# KiCad board nkc70_22.kicad_pcb
title: NKC70 RP2040 Revision2.2; note: USBコネクタは TYPEC-304J-BCP16 (Xunpu)を使う; note: hotswap socket (CPG135001S30) を使う。
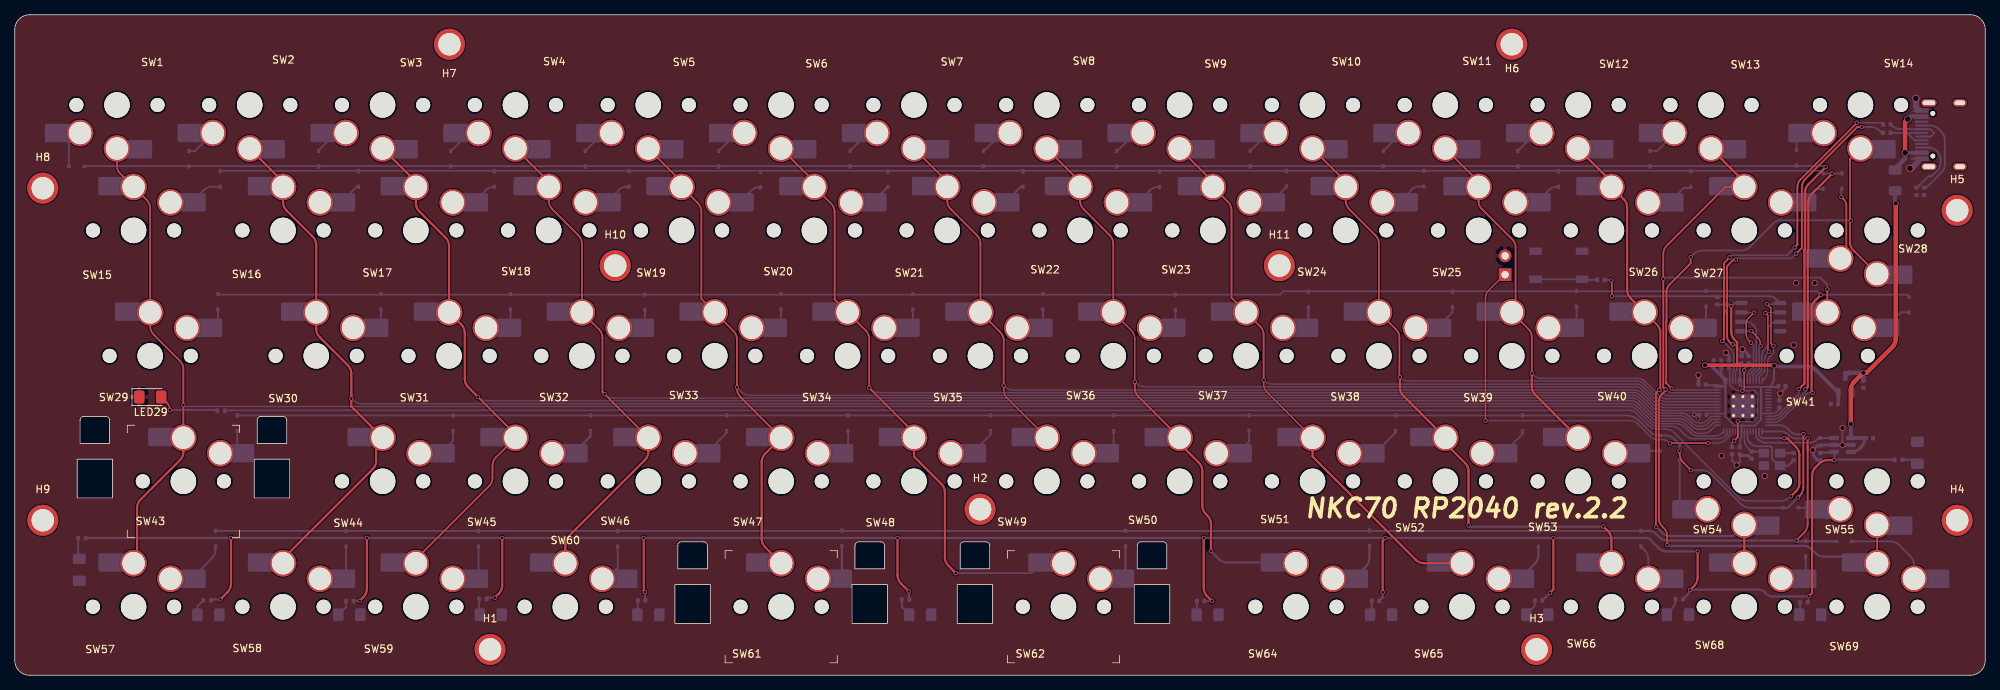
[diagram p0: board, top side]
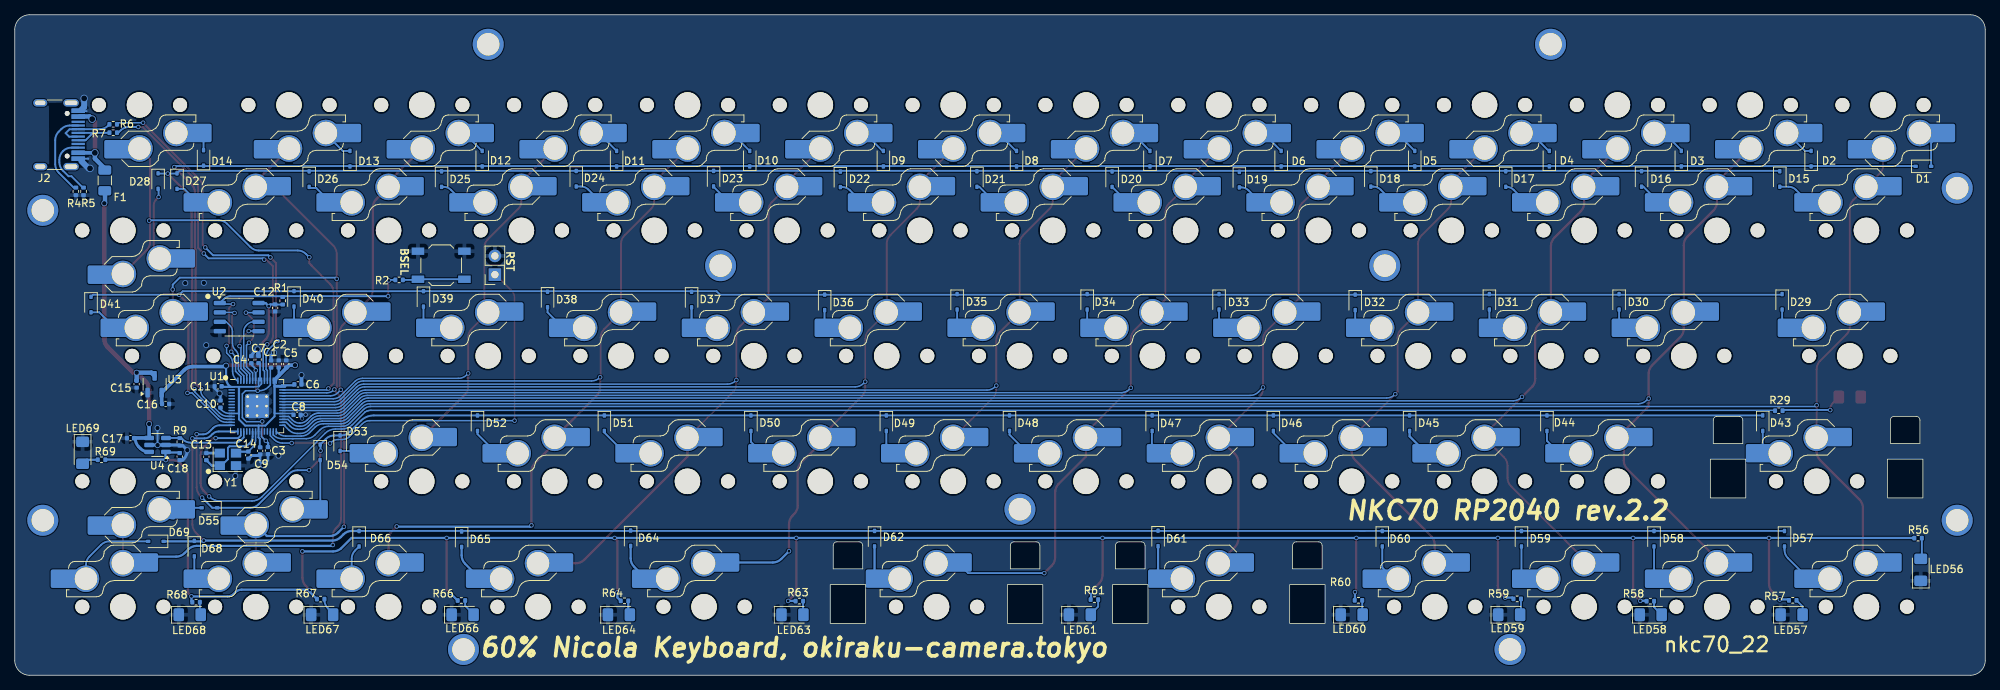
[diagram p1: board, bottom side, seen from below]

Outline 267 x 89.5 mm; copper layers: Top, Bottom. Coordinates in mm from the lower left corner of the outline.
Outline path: 0,87.5 arc(0.58,88.92) 2,89.5 265,89.5 arc(266.41,88.91) 267,87.5 267,2 arc(266.41,0.59) 265,0 2,0 arc(0.59,0.59) 0,2 0,87.5
Stack: Top 0.035mm / dielectric 1.51mm FR4 er 4.5 / Bottom 0.035mm

## Placement (name value [footprint] x y rotation side)
C1  1u  [C_0402_1005Metric]  232.27 42.17 90 bottom
C2  1u  [C_0402_1005Metric]  231.23 42.18 90 bottom
C3  100n  [C_0402_1005Metric]  232.69 30.44 270 bottom
C4  100n  [C_0402_1005Metric]  234.95 42.76 90 bottom
C5  100n  [C_0402_1005Metric]  230.21 42.18 90 bottom
C6  100n  [C_0402_1005Metric]  228.63 39.41 180 bottom
C7  100n  [C_0402_1005Metric]  233.96 42.77 90 bottom
C8  100n  [C_0402_1005Metric]  228.75 35.29 180 bottom
C9  100n  [C_0402_1005Metric]  233.75 30.41 270 bottom
C10  100n  [C_0402_1005Metric]  239.13 36.75 90 bottom
C11  100n  [C_0402_1005Metric]  239.45 39.15 0 bottom
C12  100n  [C_0402_1005Metric]  231.72 49.77 270 bottom
C13  20p  [C_0402_1005Metric]  241.04 29.62 90 bottom
C14  20p  [C_0402_1005Metric]  235.35 29.83 270 bottom
C15  1u  [C_0402_1005Metric]  250.49 39.45 270 bottom
C16  1u  [C_0402_1005Metric]  246.56 36.76 180 bottom
C17  1u  [C_0402_1005Metric]  251.32 32.12 0 bottom
C18  100n  [C_0402_1005Metric]  244.65 29.63 270 bottom
D1  1N4148WS  [D_SOD-323]  8.38 68.96 180 bottom
D2  1N4148WS  [D_SOD-323]  23.59 70 90 bottom
D3  1N4148WS  [D_SOD-323]  41.18 70 90 bottom
D4  1N4148WS  [D_SOD-323]  59.06 70 90 bottom
D5  1N4148WS  [D_SOD-323]  77.3 70 90 bottom
D6  1N4148WS  [D_SOD-323]  95.4 70 90 bottom
D7  1N4148WS  [D_SOD-323]  113.18 70 90 bottom
D8  1N4148WS  [D_SOD-323]  131.26 70 90 bottom
D9  1N4148WS  [D_SOD-323]  149.3 70 90 bottom
D10  1N4148WS  [D_SOD-323]  167.41 70 90 bottom
D11  1N4148WS  [D_SOD-323]  185.45 70 90 bottom
D12  1N4148WS  [D_SOD-323]  203.66 70 90 bottom
D13  1N4148WS  [D_SOD-323]  221.58 70 90 bottom
D14  1N4148WS  [D_SOD-323]  241.42 70.1 90 bottom
D15  1N4148WS  [D_SOD-323]  27.84 67.25 270 bottom
D16  1N4148WS  [D_SOD-323]  46.57 67.25 270 bottom
D17  1N4148WS  [D_SOD-323]  64.97 67.24 270 bottom
D18  1N4148WS  [D_SOD-323]  83.25 67.26 270 bottom
D19  1N4148WS  [D_SOD-323]  101.07 67.16 270 bottom
D20  1N4148WS  [D_SOD-323]  118.31 67.22 270 bottom
D21  1N4148WS  [D_SOD-323]  136.63 67.24 270 bottom
D22  1N4148WS  [D_SOD-323]  155.13 67.2 270 bottom
D23  1N4148WS  [D_SOD-323]  172.31 67.29 270 bottom
D24  1N4148WS  [D_SOD-323]  190.92 67.28 270 bottom
D25  1N4148WS  [D_SOD-323]  209.17 67.23 270 bottom
D26  1N4148WS  [D_SOD-323]  227.11 67.23 270 bottom
D27  1N4148WS  [D_SOD-323]  245.02 66.96 270 bottom
D28  1N4148WS  [D_SOD-323]  247.58 66.96 270 bottom
D29  1N4148WS  [D_SOD-323]  27.52 50.6 270 bottom
D30  1N4148WS  [D_SOD-323]  49.61 50.6 270 bottom
D31  1N4148WS  [D_SOD-323]  67.19 50.6 270 bottom
D32  1N4148WS  [D_SOD-323]  85.37 50.53 270 bottom
D33  1N4148WS  [D_SOD-323]  103.82 50.6 270 bottom
D34  1N4148WS  [D_SOD-323]  121.69 50.6 270 bottom
D35  1N4148WS  [D_SOD-323]  139.31 50.6 270 bottom
D36  1N4148WS  [D_SOD-323]  157.26 50.53 270 bottom
D37  1N4148WS  [D_SOD-323]  175.29 50.91 270 bottom
D38  1N4148WS  [D_SOD-323]  194.81 50.92 270 bottom
D39  1N4148WS  [D_SOD-323]  211.62 51 270 bottom
D40  1N4148WS  [D_SOD-323]  229.16 51.01 270 bottom
D41  1N4148WS  [D_SOD-323]  256.67 50.23 270 bottom
D43  1N4148WS  [D_SOD-323]  30.15 34.16 270 bottom
D44  1N4148WS  [D_SOD-323]  59.39 34.15 270 bottom
D45  1N4148WS  [D_SOD-323]  78 34.15 270 bottom
D46  1N4148WS  [D_SOD-323]  96.46 34.15 270 bottom
D47  1N4148WS  [D_SOD-323]  112.88 34.15 270 bottom
D48  1N4148WS  [D_SOD-323]  132.21 34.15 270 bottom
D49  1N4148WS  [D_SOD-323]  148.9 34.15 270 bottom
D50  1N4148WS  [D_SOD-323]  167.25 34.15 270 bottom
D51  1N4148WS  [D_SOD-323]  187.11 34.15 270 bottom
D52  1N4148WS  [D_SOD-323]  204.3 34.15 270 bottom
D53  1N4148WS  [D_SOD-323]  222.92 31.44 270 bottom
D54  1N4148WS  [D_SOD-323]  225.62 30.21 270 bottom
D55  1N4148WS  [D_SOD-323]  240.63 22.69 0 bottom
D57  1N4148WS  [D_SOD-323]  27.2 18.5 270 bottom
D58  1N4148WS  [D_SOD-323]  44.88 18.5 270 bottom
D59  1N4148WS  [D_SOD-323]  62.84 18.5 270 bottom
D60  1N4148WS  [D_SOD-323]  81.7 18.5 270 bottom
D61  1N4148WS  [D_SOD-323]  112.08 18.54 270 bottom
D62  1N4148WS  [D_SOD-323]  150.5 18.51 270 bottom
D64  1N4148WS  [D_SOD-323]  183.55 18.57 270 bottom
D65  1N4148WS  [D_SOD-323]  206.45 18.44 270 bottom
D66  1N4148WS  [D_SOD-323]  220.34 18.5 270 bottom
D68  1N4148WS  [D_SOD-323]  242.67 17.16 270 bottom
D69  1N4148WS  [D_SOD-323]  247.87 18.14 0 bottom
F1  Polyfuse_Small  [Fuse_1206_3216Metric]  254.8 67.05 90 bottom
H1  -  [MountingHole_3mm_Pad]  64.4 3.5 0 top
H2  -  [MountingHole_3mm_Pad]  130.8 22.5 0 top
H3  -  [MountingHole_3mm_Pad]  206.2 3.5 0 top
H4  -  [MountingHole_3mm_Pad]  263.2 21 0 top
H5  -  [MountingHole_3mm_Pad]  263.2 63 0 top
H6  -  [MountingHole_3mm_Pad]  202.85 85.5 0 top
H7  -  [MountingHole_3mm_Pad]  58.9 85.5 0 top
H8  -  [MountingHole_3mm_Pad]  3.8 66 0 top
H9  -  [MountingHole_3mm_Pad]  3.8 21 0 top
H10  -  [MountingHole_3mm_Pad]  81.36 55.5 0 top
H11  -  [MountingHole_3mm_Pad]  171.36 55.5 0 top
J1  Conn_01x02_Pin  [PinHeader_2x01_P2.54mm_Vertical]  201.94 54.29 90 bottom
J2  USB_C_Receptacle_USB2.0  [USB_C_Receptacle_304J-BCP16]  262.5 73.24 270 bottom
LED29  LED  [LED_1206_3216Metric_Pad1.42x1.75mm_HandSolder]  18.35 37.7 0 top
LED56  LED  [LED_1206_3216Metric_Pad1.42x1.75mm_HandSolder]  8.74 14.28 90 bottom
LED57  LED  [LED_1206_3216Metric_Pad1.42x1.75mm_HandSolder]  26.24 8.2 180 bottom
LED58  LED  [LED_1206_3216Metric_Pad1.42x1.75mm_HandSolder]  45.33 8.2 180 bottom
LED59  LED  [LED_1206_3216Metric_Pad1.42x1.75mm_HandSolder]  64.51 8.2 180 bottom
LED60  LED  [LED_1206_3216Metric_Pad1.42x1.75mm_HandSolder]  85.85 8.2 180 bottom
LED61  LED  [LED_1206_3216Metric_Pad1.42x1.75mm_HandSolder]  122.68 8.2 180 bottom
LED63  LED  [LED_1206_3216Metric_Pad1.42x1.75mm_HandSolder]  161.62 8.2 180 bottom
LED64  LED  [LED_1206_3216Metric_Pad1.42x1.75mm_HandSolder]  185.14 8.2 180 bottom
LED66  LED  [LED_1206_3216Metric_Pad1.42x1.75mm_HandSolder]  206.31 8.2 180 bottom
LED67  LED  [LED_1206_3216Metric_Pad1.42x1.75mm_HandSolder]  225.35 8.2 180 bottom
LED68  LED  [LED_1206_3216Metric_Pad1.42x1.75mm_HandSolder]  243.29 8.2 180 bottom
LED69  LED  [LED_1206_3216Metric_Pad1.42x1.75mm_HandSolder]  257.81 30.15 270 bottom
R1  10k  [R_0402_1005Metric]  230.69 50.74 90 bottom
R2  1k  [R_0402_1005Metric]  214.92 53.57 180 bottom
R4  5.1k  [R_0402_1005Metric]  258.72 65.57 90 bottom
R5  5.1k  [R_0402_1005Metric]  257.68 65.57 90 bottom
R6  22  [R_0402_1005Metric]  253.66 74.66 0 bottom
R7  22  [R_0402_1005Metric]  253.66 73.52 0 bottom
R9  10k  [R_0402_1005Metric]  244.63 31.62 90 bottom
R29  220  [R_0402_1005Metric]  27.97 35.84 0 bottom
R56  330  [R_0402_1005Metric]  9.1 18.58 0 bottom
R57  330  [R_0402_1005Metric]  26.08 10.15 0 bottom
R58  330  [R_0402_1005Metric]  45.38 10.04 0 bottom
R59  330  [R_0402_1005Metric]  63.42 10.35 0 bottom
R60  330  [R_0402_1005Metric]  84.93 10.15 0 bottom
R61  330  [R_0402_1005Metric]  120.71 10.25 0 bottom
R63  330  [R_0402_1005Metric]  160.69 10.05 180 bottom
R64  330  [R_0402_1005Metric]  184.38 10.08 180 bottom
R66  330  [R_0402_1005Metric]  206.48 10.13 180 bottom
R67  330  [R_0402_1005Metric]  225.55 10.32 180 bottom
R68  330  [R_0402_1005Metric]  242.43 9.9 180 bottom
R69  330  [R_0402_1005Metric]  255.24 29.2 0 bottom
SW1  SW_Push  [SW_Hotswap_Kailh_Choc_V1_Plated_1.00u]  13.85 77.28 180 top
SW2  SW_Push  [SW_Hotswap_Kailh_Choc_V1_Plated_1.00u]  31.84 77.28 180 top
SW3  SW_Push  [SW_Hotswap_Kailh_Choc_V1_Plated_1.00u]  49.84 77.28 180 top
SW4  SW_Push  [SW_Hotswap_Kailh_Choc_V1_Plated_1.00u]  67.84 77.28 180 top
SW5  SW_Push  [SW_Hotswap_Kailh_Choc_V1_Plated_1.00u]  85.84 77.28 180 top
SW6  SW_Push  [SW_Hotswap_Kailh_Choc_V1_Plated_1.00u]  103.84 77.28 180 top
SW7  SW_Push  [SW_Hotswap_Kailh_Choc_V1_Plated_1.00u]  121.84 77.28 180 top
SW8  SW_Push  [SW_Hotswap_Kailh_Choc_V1_Plated_1.00u]  139.84 77.28 180 top
SW9  SW_Push  [SW_Hotswap_Kailh_Choc_V1_Plated_1.00u]  157.84 77.28 180 top
SW10  SW_Push  [SW_Hotswap_Kailh_Choc_V1_Plated_1.00u]  175.84 77.28 180 top
SW11  SW_Push  [SW_Hotswap_Kailh_Choc_V1_Plated_1.00u]  193.84 77.28 180 top
SW12  SW_Push  [SW_Hotswap_Kailh_Choc_V1_Plated_1.00u]  211.84 77.28 180 top
SW13  SW_Push  [SW_Hotswap_Kailh_Choc_V1_Plated_1.00u]  229.84 77.28 180 top
SW14  SW_Push  [SW_Hotswap_Kailh_Choc_V1_Plated_1.25u]  250.1 77.28 180 top
SW15  SW_Push  [SW_Hotswap_Kailh_Choc_V1_Plated_1.25u]  16.1 60.28 0 top
SW16  SW_Push  [SW_Hotswap_Kailh_Choc_V1_Plated_1.00u]  36.35 60.28 0 top
SW17  SW_Push  [SW_Hotswap_Kailh_Choc_V1_Plated_1.00u]  54.35 60.28 0 top
SW18  SW_Push  [SW_Hotswap_Kailh_Choc_V1_Plated_1.00u]  72.35 60.28 0 top
SW19  SW_Push  [SW_Hotswap_Kailh_Choc_V1_Plated_1.00u]  90.35 60.28 0 top
SW20  SW_Push  [SW_Hotswap_Kailh_Choc_V1_Plated_1.00u]  108.35 60.28 0 top
SW21  SW_Push  [SW_Hotswap_Kailh_Choc_V1_Plated_1.00u]  126.35 60.28 0 top
SW22  SW_Push  [SW_Hotswap_Kailh_Choc_V1_Plated_1.00u]  144.35 60.28 0 top
SW23  SW_Push  [SW_Hotswap_Kailh_Choc_V1_Plated_1.00u]  162.35 60.28 0 top
SW24  SW_Push  [SW_Hotswap_Kailh_Choc_V1_Plated_1.00u]  180.35 60.28 0 top
SW25  SW_Push  [SW_Hotswap_Kailh_Choc_V1_Plated_1.00u]  198.35 60.28 0 top
SW26  SW_Push  [SW_Hotswap_Kailh_Choc_V1_Plated_1.00u]  216.35 60.28 0 top
SW27  SW_Push  [SW_Hotswap_Kailh_Choc_V1_Plated_1.00u]  234.35 60.28 0 top
SW28  SW_Push  [SW_Hotswap_Kailh_Choc_V1_Plated_1.00u]  252.35 60.28 180 top
SW29  SW_Push  [SW_Hotswap_Kailh_Choc_V1_Plated_1.50u]  18.35 43.28 0 top
SW30  SW_Push  [SW_Hotswap_Kailh_Choc_V1_Plated_1.00u]  40.85 43.28 0 top
SW31  SW_Push  [SW_Hotswap_Kailh_Choc_V1_Plated_1.00u]  58.85 43.28 0 top
SW32  SW_Push  [SW_Hotswap_Kailh_Choc_V1_Plated_1.00u]  76.85 43.28 0 top
SW33  SW_Push  [SW_Hotswap_Kailh_Choc_V1_Plated_1.00u]  94.85 43.28 0 top
SW34  SW_Push  [SW_Hotswap_Kailh_Choc_V1_Plated_1.00u]  112.85 43.28 0 top
SW35  SW_Push  [SW_Hotswap_Kailh_Choc_V1_Plated_1.00u]  130.85 43.28 0 top
SW36  SW_Push  [SW_Hotswap_Kailh_Choc_V1_Plated_1.00u]  148.85 43.28 0 top
SW37  SW_Push  [SW_Hotswap_Kailh_Choc_V1_Plated_1.00u]  166.85 43.28 0 top
SW38  SW_Push  [SW_Hotswap_Kailh_Choc_V1_Plated_1.00u]  184.85 43.28 0 top
SW39  SW_Push  [SW_Hotswap_Kailh_Choc_V1_Plated_1.00u]  202.85 43.28 0 top
SW40  SW_Push  [SW_Hotswap_Kailh_Choc_V1_Plated_1.00u]  220.85 43.28 0 top
SW41  SW_Push  [SW_Hotswap_Kailh_Choc_V1_Plated_1.75u]  245.6 43.28 0 top
SW43  SW_Push  [ChocV1_2.00u_stabilizer_PCB_hs]  22.85 26.28 0 top
SW44  SW_Push  [SW_Hotswap_Kailh_Choc_V1_Plated_1.00u]  49.85 26.28 0 top
SW45  SW_Push  [SW_Hotswap_Kailh_Choc_V1_Plated_1.00u]  67.85 26.28 0 top
SW46  SW_Push  [SW_Hotswap_Kailh_Choc_V1_Plated_1.00u]  85.85 26.28 0 top
SW47  SW_Push  [SW_Hotswap_Kailh_Choc_V1_Plated_1.00u]  103.85 26.28 0 top
SW48  SW_Push  [SW_Hotswap_Kailh_Choc_V1_Plated_1.00u]  121.85 26.28 0 top
SW49  SW_Push  [SW_Hotswap_Kailh_Choc_V1_Plated_1.00u]  139.85 26.28 0 top
SW50  SW_Push  [SW_Hotswap_Kailh_Choc_V1_Plated_1.00u]  157.85 26.28 0 top
SW51  SW_Push  [SW_Hotswap_Kailh_Choc_V1_Plated_1.00u]  175.85 26.28 0 top
SW52  SW_Push  [SW_Hotswap_Kailh_Choc_V1_Plated_1.00u]  193.85 26.28 0 top
SW53  SW_Push  [SW_Hotswap_Kailh_Choc_V1_Plated_1.00u]  211.85 26.28 0 top
SW54  SW_Push  [SW_Hotswap_Kailh_Choc_V1_Plated_1.00u]  234.35 26.28 180 top
SW55  SW_Push  [SW_Hotswap_Kailh_Choc_V1_Plated_1.00u]  252.35 26.28 180 top
SW57  SW_Push  [SW_Hotswap_Kailh_Choc_V1_Plated_1.25u]  16.1 9.28 0 top
SW58  SW_Push  [SW_Hotswap_Kailh_Choc_V1_Plated_1.00u]  36.35 9.28 0 top
SW59  SW_Push  [SW_Hotswap_Kailh_Choc_V1_Plated_1.00u]  54.35 9.28 0 top
SW60  SW_Push  [SW_Hotswap_Kailh_Choc_V1_Plated_1.25u]  74.6 9.28 0 top
SW61  SW_Push  [ChocV1_2.00u_stabilizer_PCB_hs]  103.85 9.28 0 top
SW62  SW_Push  [ChocV1_2.25u_stabilizer_PCB]  142.1 9.28 0 top
SW64  SW_Push  [SW_Hotswap_Kailh_Choc_V1_Plated_1.25u]  173.6 9.28 0 top
SW65  SW_Push  [SW_Hotswap_Kailh_Choc_V1_Plated_1.25u]  196.1 9.28 0 top
SW66  SW_Push  [SW_Hotswap_Kailh_Choc_V1_Plated_1.00u]  216.35 9.28 0 top
SW68  SW_Push  [SW_Hotswap_Kailh_Choc_V1_Plated_1.00u]  234.35 9.28 0 top
SW69  SW_Push  [SW_Hotswap_Kailh_Choc_V1_Plated_1.00u]  252.35 9.28 0 top
SW200  BSEL  [SW_SPST_TL3342]  209.22 55.56 180 bottom
U1  RP2040  [RP2040-QFN-56]  234.17 36.47 180 bottom
U2  W25Q16JVSN  [SOP-8_3.9x4.9mm_P1.27mm]  236.59 48.53 180 bottom
U3  XC6206P332MR  [SOT-23-3]  248.05 39.43 90 bottom
U4  AP2281  [SOT-23-6]  247.65 31.2 0 bottom
Y1  12MHz  [Crystal_SMD_3225-4Pin_3.2x2.5mm]  238.12 29.26 180 bottom

## Library data of the parts
C1-C18 = -: ki_fp_filters: C_*
D1-D41 D43-D55 D57-D62 D64-D66 D68 D69 = -: Datasheet: https://www.vishay.com/docs/85751/1n4148ws.pdf; Description: 75V 0.15A Fast switching Diode, SOD-323; Sim.Device: D; Sim.Pins: 1=K 2=A; ki_fp_filters: D*SOD?323*
F1 = -: Description: Resettable fuse, polymeric positive temperature coefficient, small symbol; ki_fp_filters: *polyfuse* *PTC*
J1 = -: Description: Generic connector, single row, 01x02, script generated; ki_fp_filters: Connector*:*_1x??_*
J2 = -: Datasheet: https://www.usb.org/sites/default/files/documents/usb_type-c.zip; Description: USB 2.0-only 14P Type-C Receptacle connector; ki_fp_filters: USB*C*Receptacle*
LED29 LED56-LED61 LED63 LED64 LED66-LED69 = -: ki_fp_filters: LED* LED_SMD:* LED_THT:*
R1 R2 R4-R7 R9 R29 R56-R61 R63 R64 R66-R69 = -: ki_fp_filters: R_*
U2 = -: Datasheet: https://www.winbond.com/resource-files/w25q128jv_dtr%20revc%2003272018%20plus.pdf; Description: 128Mb Serial Flash Memory, Standard/Dual/Quad SPI, SOIC-8; ki_fp_filters: SOIC*5.23x5.23mm*P1.27mm*
U3 = -: Datasheet: https://www.torexsemi.com/file/xc6206/XC6206.pdf; Description: Positive 60-250mA Low Dropout Regulator, Fixed Output, SOT-23; ki_fp_filters: SOT?23?3*
U4 = -: Datasheet: https://www.diodes.com/assets/Datasheets/AP2281.pdf
Y1 = -: ki_fp_filters: Crystal*

## Footprints (pads in the part's own frame, mm; a bottom-side part is the same pattern mirrored in y, then rotated)
C_0402_1005Metric
  rrect 0.56x0.62 smd: 1(-0.48,0) 2(0.48,0)
ChocV1_2.00u_stabilizer_PCB_hs
  round 1.9 hole 1.9 unplated: (-5.5,0) (5.5,0)
  rrect 2.55x2.5 smd: (-3.5,6)
  round 3.45 hole 3.45 unplated: (0,0)
  rrect 2.315x2.46 smd: (8.383,3.82)
  rrect 3.85x2.5 smd far side: 1(-2.85,6)
  round 3.6 hole 3.05: 1(0,5.9) 2(5,3.8)
  rrect 3.665x2.48 smd far side: 2(7.758,3.81)
ChocV1_2.25u_stabilizer_PCB
  round 1.9 hole 1.9 unplated: (-5.5,0) (5.5,0)
  rrect 2.55x2.5 smd: (-3.5,6)
  round 3.45 hole 3.45 unplated: (0,0)
  rrect 2.315x2.46 smd: (8.383,3.82)
  rrect 3.85x2.5 smd far side: 1(-2.85,6)
  round 3.6 hole 3.05: 1(0,5.9) 2(5,3.8)
  rrect 3.665x2.48 smd far side: 2(7.758,3.81)
Crystal_SMD_3225-4Pin_3.2x2.5mm
  rect 1.4x1.2 smd: 1(-1.1,-0.85) 2(1.1,-0.85) 3(1.1,0.85) 4(-1.1,0.85)
D_SOD-323
  rrect 0.6x0.45 smd: 1(-1.05,0) 2(1.05,0)
Fuse_1206_3216Metric
  rrect 1.25x1.75 smd: 1(-1.4,0) 2(1.4,0)
LED_1206_3216Metric_Pad1.42x1.75mm_HandSolder
  rrect 1.425x1.75 smd: 1(-1.488,0) 2(1.488,0)
MountingHole_3mm_Pad
  round 4.2 hole 3.05: 1(0,0)
PinHeader_2x01_P2.54mm_Vertical
  rect 1.7x1.7 hole 1: 1(0,0)
  oval 1.7x1.7 hole 1: 2(2.54,0)
R_0402_1005Metric
  rrect 0.54x0.64 smd: 1(-0.51,0) 2(0.51,0)
RP2040-QFN-56
  rrect 1.084x1.084 smd: (-0.637,-0.637) (-0.637,0.637) (0.637,-0.637) (0.637,0.637)
  rrect 0.875x0.2 smd: 1(-3.438,2.6) 2(-3.438,2.2) 3(-3.438,1.8) 4(-3.438,1.4) 5(-3.438,1) 6(-3.438,0.6) 7(-3.438,0.2) 8(-3.438,-0.2) 9(-3.438,-0.6) 10(-3.438,-1) 11(-3.438,-1.4) 12(-3.438,-1.8) 13(-3.438,-2.2) 14(-3.438,-2.6) 29(3.438,-2.6) 30(3.438,-2.2) 31(3.438,-1.8) 32(3.438,-1.4) 33(3.438,-1) 34(3.438,-0.6) 35(3.438,-0.2) 36(3.438,0.2) 37(3.438,0.6) 38(3.438,1) 39(3.438,1.4) 40(3.438,1.8) 41(3.438,2.2) 42(3.438,2.6)
  rrect 0.2x0.875 smd: 15(-2.6,-3.438) 16(-2.2,-3.438) 17(-1.8,-3.438) 18(-1.4,-3.438) 19(-1,-3.438) 20(-0.6,-3.438) 21(-0.2,-3.438) 22(0.2,-3.438) 23(0.6,-3.438) 24(1,-3.438) 25(1.4,-3.438) 26(1.8,-3.438) 27(2.2,-3.438) 28(2.6,-3.438) 43(2.6,3.438) 44(2.2,3.438) 45(1.8,3.438) 46(1.4,3.438) 47(1,3.438) 48(0.6,3.438) 49(0.2,3.438) 50(-0.2,3.438) 51(-0.6,3.438) 52(-1,3.438) 53(-1.4,3.438) 54(-1.8,3.438) 55(-2.2,3.438) 56(-2.6,3.438)
  round 0.6 hole 0.35: 57(-1.275,-1.275) 57(-1.275,0) 57(-1.275,1.275) 57(0,-1.275) 57(0,0) 57(0,1.275) 57(1.275,-1.275) 57(1.275,0) 57(1.275,1.275)
  rrect 3.2x3.2 smd: 57(0,0)
SOP-8_3.9x4.9mm_P1.27mm
  rrect 1.65x0.6 smd: 1(-2.625,1.905) 2(-2.625,0.635) 3(-2.625,-0.635) 4(-2.625,-1.905) 5(2.625,-1.905) 6(2.625,-0.635) 7(2.625,0.635) 8(2.625,1.905)
SOT-23-3
  rrect 1.325x0.6 smd: 1(-1.137,0.95) 2(-1.137,-0.95) 3(1.137,0)
SOT-23-6
  rrect 1.325x0.6 smd: 1(-1.137,0.95) 2(-1.137,0) 3(-1.137,-0.95) 4(1.137,-0.95) 5(1.137,0) 6(1.137,0.95)
SW_Hotswap_Kailh_Choc_V1_Plated_1.00u
  round 1.9 hole 1.9 unplated: (-5.5,0) (5.5,0)
  rrect 2.55x2.5 smd: (-3.5,6) (8.5,3.8)
  round 3.45 hole 3.45 unplated: (0,0)
  rrect 3.85x2.5 smd far side: 1(-2.85,6) 2(7.85,3.8)
  round 3.6 hole 3.05: 1(0,5.9) 2(5,3.8)
SW_Hotswap_Kailh_Choc_V1_Plated_1.25u
  round 1.9 hole 1.9 unplated: (-5.5,0) (5.5,0)
  rrect 2.55x2.5 smd: (-3.5,6) (8.5,3.8)
  round 3.45 hole 3.45 unplated: (0,0)
  rrect 3.85x2.5 smd far side: 1(-2.85,6) 2(7.85,3.8)
  round 3.6 hole 3.05: 1(0,5.9) 2(5,3.8)
SW_Hotswap_Kailh_Choc_V1_Plated_1.50u
  round 1.9 hole 1.9 unplated: (-5.5,0) (5.5,0)
  rrect 2.55x2.5 smd: (-3.5,6) (8.5,3.8)
  round 3.45 hole 3.45 unplated: (0,0)
  rrect 3.85x2.5 smd far side: 1(-2.85,6) 2(7.85,3.8)
  round 3.6 hole 3.05: 1(0,5.9) 2(5,3.8)
SW_Hotswap_Kailh_Choc_V1_Plated_1.75u
  round 1.9 hole 1.9 unplated: (-5.5,0) (5.5,0)
  rrect 2.55x2.5 smd: (-3.5,6) (8.5,3.8)
  round 3.45 hole 3.45 unplated: (0,0)
  rrect 3.85x2.5 smd far side: 1(-2.85,6) 2(7.85,3.8)
  round 3.6 hole 3.05: 1(0,5.9) 2(5,3.8)
SW_SPST_TL3342
  rect 1.7x1 smd: 1(-3.15,1.9) 1(3.15,1.9) 2(-3.15,-1.9) 2(3.15,-1.9)
USB_C_Receptacle_304J-BCP16
  round 0.65 hole 0.65 unplated: (-2.89,2.6) (2.89,2.6)
  rect 0.6x1.8 smd: A1(-3.25,4.1) A4(-2.45,4.1) A9(2.45,4.1) A12(3.25,4.1) B1(3.25,4.1) B4(2.45,4.1) B9(-2.45,4.1) B12(-3.25,4.1)
  rect 0.3x1.8 smd: A5(-1.25,4.1) A6(-0.25,4.1) A7(0.25,4.1) A8(1.25,4.1) B5(1.75,4.1) B6(0.75,4.1) B7(-0.75,4.1) B8(-1.75,4.1)
  oval 1x1.9 hole 0.6x1.4: S1(-4.32,-1.05) S1(4.32,-1.05)
  oval 1x2.1 hole 0.6x1.7: S1(-4.32,3.13) S1(4.32,3.13)

## Nets
+1V1: C1.1 C3.1 C4.1 U1.23 U1.45 U1.50
+3V3: C2.1 C5.1 C6.1 C7.1 C8.1 C9.1 C10.1 C11.1 C12.1 C16.1 R1.1 U1.1 U1.10 U1.22 U1.33 U1.42 U1.43 U1.44 U1.48 U1.49 U2.8 U3.2
/+5V: C15.1 C17.1 F1.1 U3.3 U4.4 U4.6
/VBUS: F1.2 J2.A4 J2.A9 J2.B4 J2.B9
GND: C1.2 C2.2 C3.2 C4.2 C5.2 C6.2 C7.2 C8.2 C9.2 C10.2 C11.2 C12.2 C13.2 C14.2 C15.2 C16.2 C17.2 C18.2 J1.2 J2.A1 J2.A12 J2.B1 J2.B12 LED29.1 LED56.1 LED57.1 LED58.1 LED59.1 LED60.1 LED61.1 LED63.1 LED64.1 LED66.1 LED67.1 LED68.1 LED69.1 R4.1 R5.1 R9.1 SW200.1 U1.57 U2.4 U3.1 U4.2 U4.5 Y1.2 Y1.4
/BG_LED2: U1.18
/BGLED: C18.1 R56.2 R57.2 R58.2 R59.2 R60.2 R61.2 R63.1 R64.1 R66.1 R67.1 R68.1 R69.1 U4.1
/BGLED_C: R9.2 U1.17 U4.3
/BSEL: R2.2 SW200.2
/C01: SW1.1 SW15.1 SW29.1 SW43.1 SW57.1 U1.27
/C02: SW2.1 SW16.1 SW30.1 SW44.1 SW58.1 U1.28
/C03: SW3.1 SW17.1 SW31.1 SW45.1 SW59.1 U1.29
/C04: SW4.1 SW18.1 SW32.1 SW46.1 SW60.1 U1.30
/C05: SW5.1 SW19.1 SW33.1 SW47.1 SW61.1 U1.31
/C06: SW6.1 SW20.1 SW34.1 SW48.1 SW62.1 U1.32
/C07: SW7.1 SW21.1 SW35.1 SW49.1 U1.34
/C08: SW8.1 SW22.1 SW36.1 SW50.1 SW64.1 U1.35
/C09: SW9.1 SW23.1 SW37.1 SW51.1 SW65.1 U1.36
/C10: SW10.1 SW24.1 SW38.1 SW52.1 SW66.1 U1.37
/C11: SW11.1 SW25.1 SW39.1 SW53.1 U1.38
/C12: SW12.1 SW26.1 SW40.1 SW54.1 SW68.1 U1.39
/C13: SW13.1 SW27.1 SW41.1 SW55.1 SW69.1 U1.40
/C14: SW14.1 SW28.1 U1.41
/CAPS_LED: R29.2 U1.16
/DM: R6.1 U1.46
/DP: R7.1 U1.47
/QSPI_SCLK: U1.52 U2.6
/QSPI_SD0: U1.53 U2.5
/QSPI_SD1: U1.55 U2.2
/QSPI_SD2: U1.54 U2.3
/QSPI_SD3: U1.51 U2.7
/QSPI_SS: R1.2 R2.1 U1.56 U2.1
/R01: D1.1 D2.1 D3.1 D4.1 D5.1 D6.1 D7.1 D8.1 D9.1 D10.1 D11.1 D12.1 D13.1 D14.1 U1.11
/R02: D15.1 D16.1 D17.1 D18.1 D19.1 D20.1 D21.1 D22.1 D23.1 D24.1 D25.1 D26.1 D27.1 D28.1 U1.12
/R03: D29.1 D30.1 D31.1 D32.1 D33.1 D34.1 D35.1 D36.1 D37.1 D38.1 D39.1 D40.1 D41.1 U1.13
/R04: D43.1 D44.1 D45.1 D46.1 D47.1 D48.1 D49.1 D50.1 D51.1 D52.1 D53.1 D54.1 D55.1 U1.14
/R05: D57.1 D58.1 D59.1 D60.1 D61.1 D62.1 D64.1 D65.1 D66.1 D68.1 D69.1 U1.15
/XIN: C13.1 U1.20 Y1.1
/XOUT: C14.1 U1.21 Y1.3
Net-(D1-A): D1.2 SW1.2
Net-(D2-A): D2.2 SW2.2
Net-(D3-A): D3.2 SW3.2
Net-(D4-A): D4.2 SW4.2
Net-(D5-A): D5.2 SW5.2
Net-(D6-A): D6.2 SW6.2
Net-(D7-A): D7.2 SW7.2
Net-(D8-A): D8.2 SW8.2
Net-(D9-A): D9.2 SW9.2
Net-(D10-A): D10.2 SW10.2
Net-(D11-A): D11.2 SW11.2
Net-(D12-A): D12.2 SW12.2
Net-(D13-A): D13.2 SW13.2
Net-(D14-A): D14.2 SW14.2
Net-(D15-A): D15.2 SW15.2
Net-(D16-A): D16.2 SW16.2
Net-(D17-A): D17.2 SW17.2
Net-(D18-A): D18.2 SW18.2
Net-(D19-A): D19.2 SW19.2
Net-(D20-A): D20.2 SW20.2
Net-(D21-A): D21.2 SW21.2
Net-(D22-A): D22.2 SW22.2
Net-(D23-A): D23.2 SW23.2
Net-(D24-A): D24.2 SW24.2
Net-(D25-A): D25.2 SW25.2
Net-(D26-A): D26.2 SW26.2
Net-(D27-A): D27.2 SW27.2
Net-(D28-A): D28.2 SW28.2
Net-(D29-A): D29.2 SW29.2
Net-(D30-A): D30.2 SW30.2
Net-(D31-A): D31.2 SW31.2
Net-(D32-A): D32.2 SW32.2
Net-(D33-A): D33.2 SW33.2
Net-(D34-A): D34.2 SW34.2
Net-(D35-A): D35.2 SW35.2
Net-(D36-A): D36.2 SW36.2
Net-(D37-A): D37.2 SW37.2
Net-(D38-A): D38.2 SW38.2
Net-(D39-A): D39.2 SW39.2
Net-(D40-A): D40.2 SW40.2
Net-(D41-A): D41.2 SW41.2
Net-(D43-A): D43.2 SW43.2
Net-(D44-A): D44.2 SW44.2
Net-(D45-A): D45.2 SW45.2
Net-(D46-A): D46.2 SW46.2
Net-(D47-A): D47.2 SW47.2
Net-(D48-A): D48.2 SW48.2
Net-(D49-A): D49.2 SW49.2
Net-(D50-A): D50.2 SW50.2
Net-(D51-A): D51.2 SW51.2
Net-(D52-A): D52.2 SW52.2
Net-(D53-A): D53.2 SW53.2
Net-(D54-A): D54.2 SW54.2
Net-(D55-A): D55.2 SW55.2
Net-(D57-A): D57.2 SW57.2
Net-(D58-A): D58.2 SW58.2
Net-(D59-A): D59.2 SW59.2
Net-(D60-A): D60.2 SW60.2
Net-(D61-A): D61.2 SW61.2
Net-(D62-A): D62.2 SW62.2
Net-(D64-A): D64.2 SW64.2
Net-(D65-A): D65.2 SW65.2
Net-(D66-A): D66.2 SW66.2
Net-(D68-A): D68.2 SW68.2
Net-(D69-A): D69.2 SW69.2
Net-(J1-Pin_1): J1.1 U1.26
Net-(J2-CC1): J2.A5 R4.2
Net-(J2-CC2): J2.B5 R5.2
Net-(J2-D+-PadA6): J2.A6 J2.B6 R7.2
Net-(J2-D--PadA7): J2.A7 J2.B7 R6.2
Net-(LED29-A): LED29.2 R29.1
Net-(LED56-A): LED56.2 R56.1
Net-(LED57-A): LED57.2 R57.1
Net-(LED58-A): LED58.2 R58.1
Net-(LED59-A): LED59.2 R59.1
Net-(LED60-A): LED60.2 R60.1
Net-(LED61-A): LED61.2 R61.1